# Altium PCB board_layout.pcbdoc (part 1 of 3) (continued)
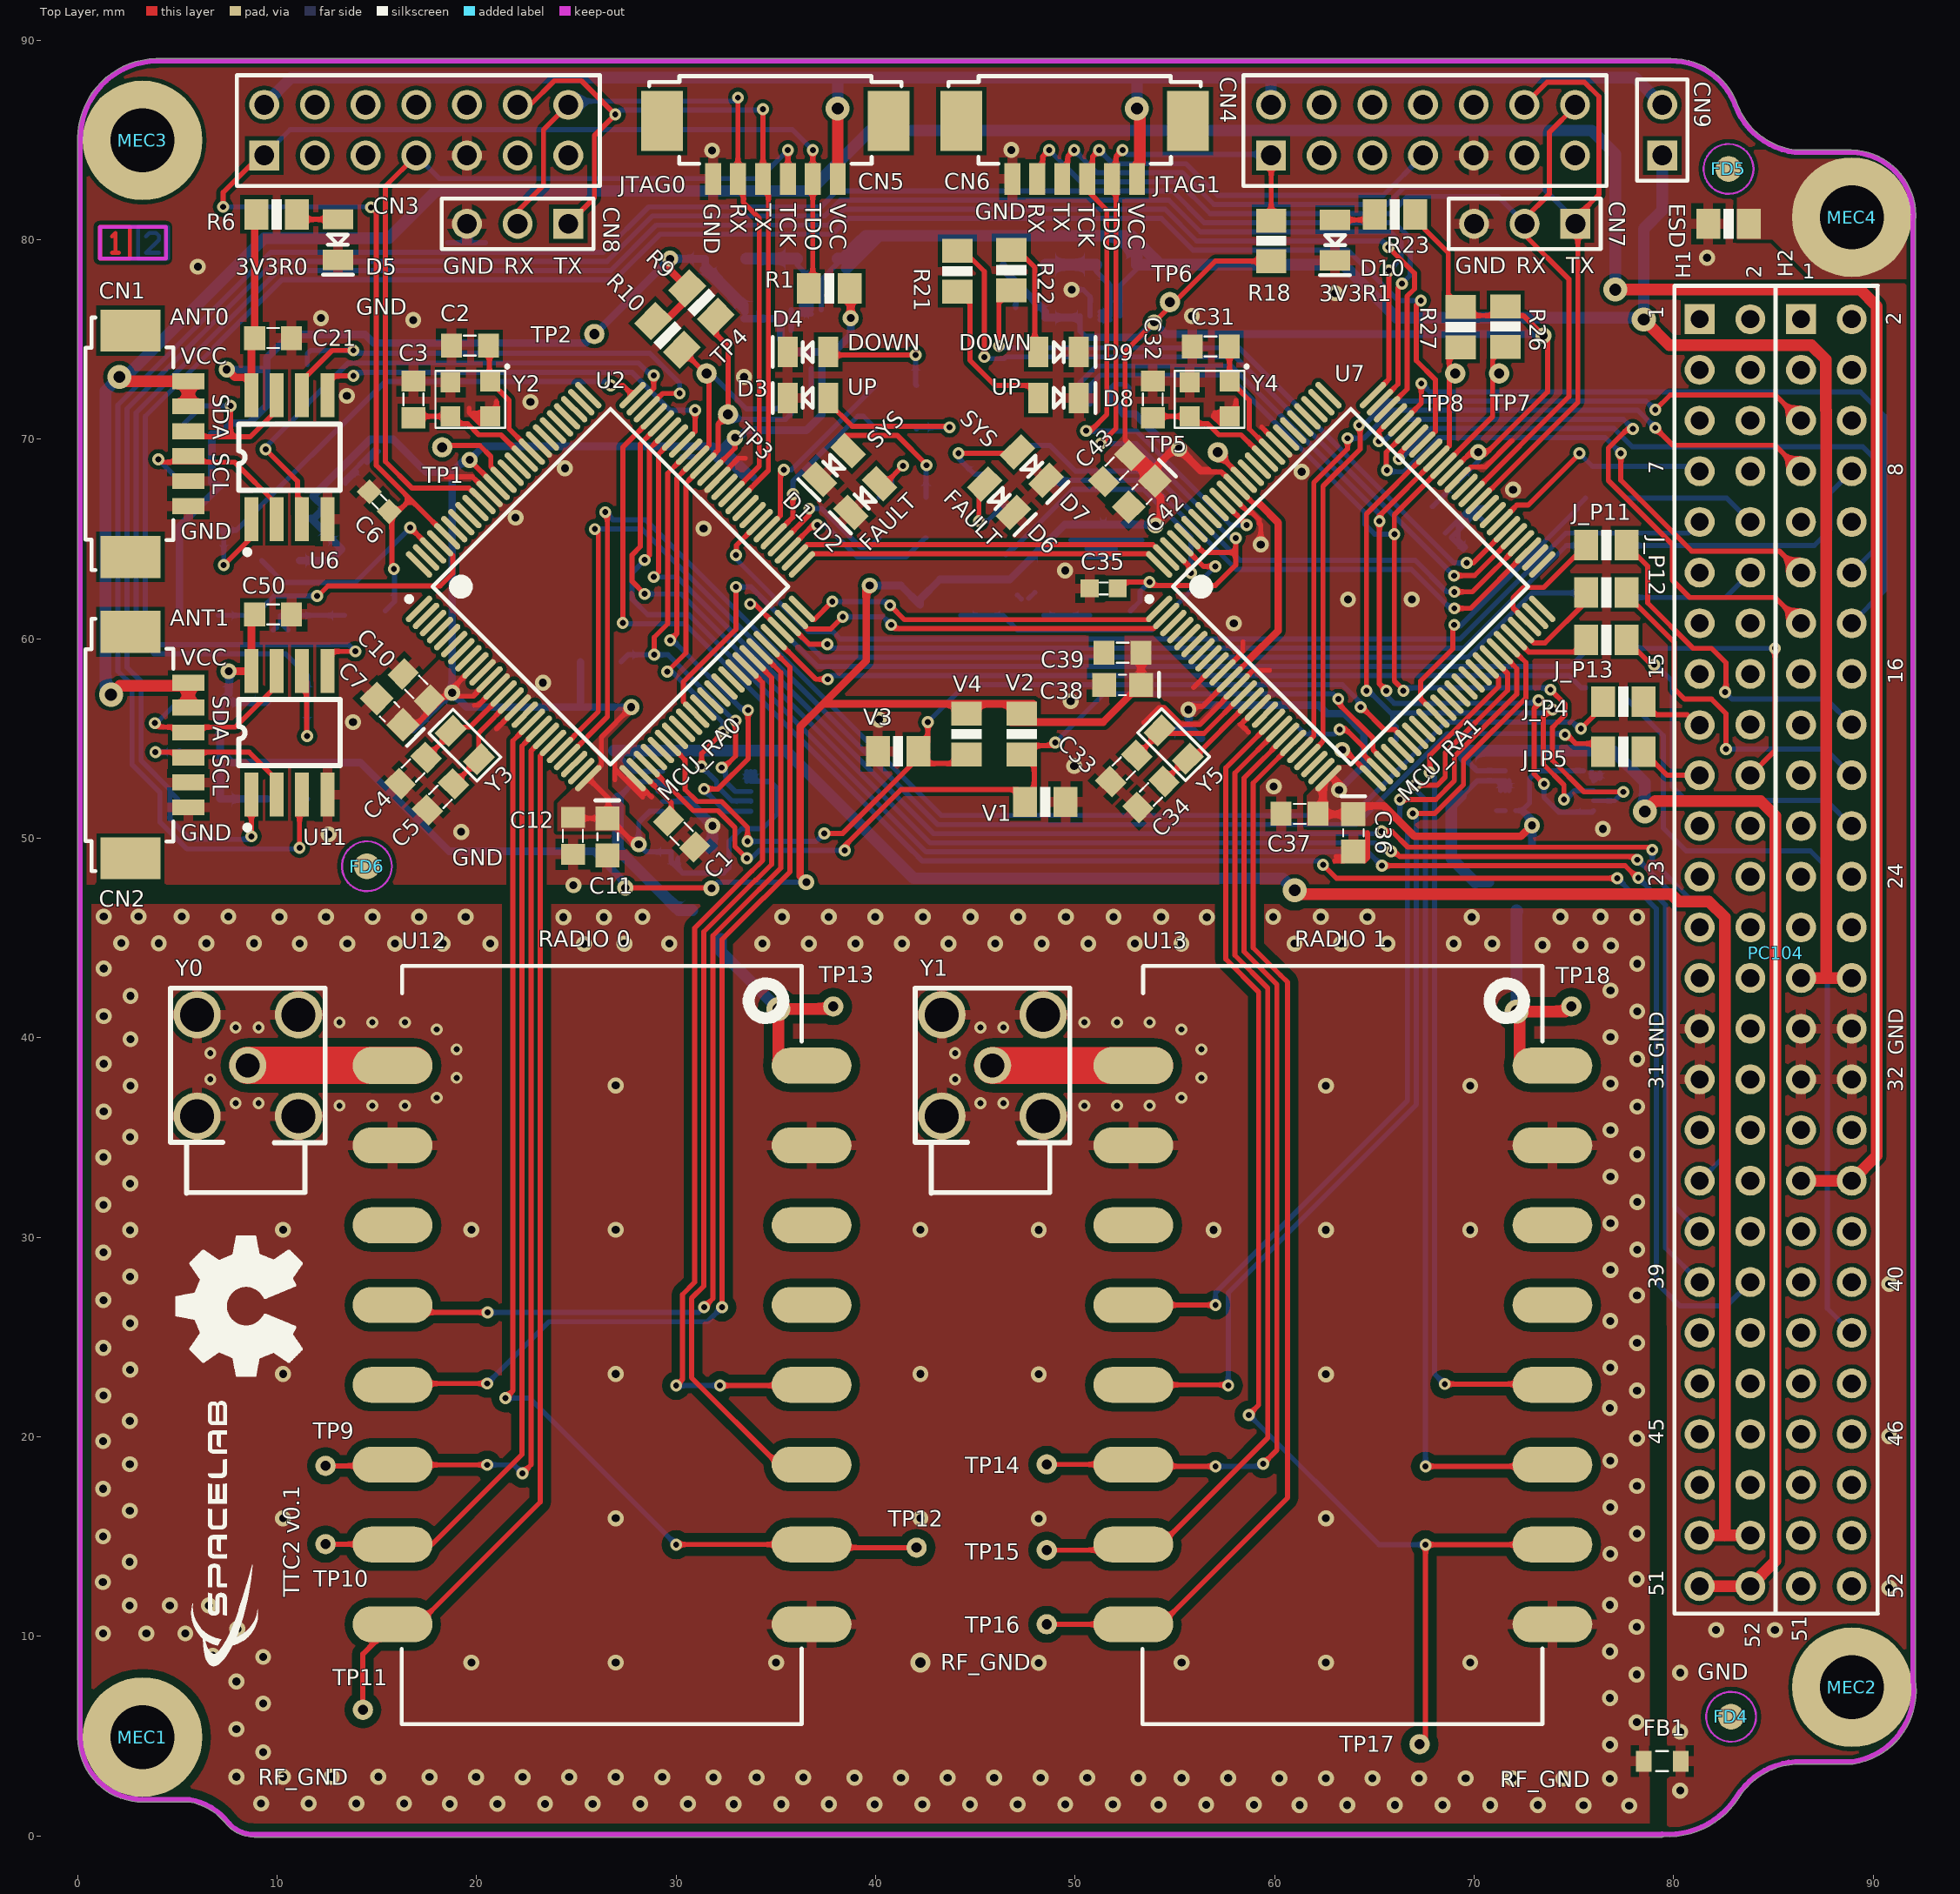
[diagram p0: Top Layer view]
## Components (designator, comment, footprint, x,y, rotation, side; value= is the part's Value field where it differs from the comment)
C1 "0.47uF/50V" CC0805 30.275,50.225 r135 top
C2 "10pF/100V" CC0805 19.661,74.7 r180 top
C3 "10pF/100V" CC0805 16.836,72 r90 top
C4 "12pF/50V" CC0805 16.815,53.4 r45 top
C5 "12pF/50V" CC0805 18.19,52.075 r45 top
C6 "1nF/16V" CC0603 15.125,66.875 r315 top
C7 "10uF/10V" CC0805_TANTALUM 15.65,56.35 r135 top
C8 "0.1uF/25V" CC0805 17.2,57.15 r135 bottom
C9 "10uF/10V" CC0805_TANTALUM 15.875,55.9 r135 bottom
C10 "0.1uF/25V" CC0805 16.977,57.587 r135 top
C11 "10uF/10V" CC0805_TANTALUM 26.55,50.075 r270 top
C12 "0.1uF/25V" CC0805 24.825,50.125 r270 top
C13 "10uF/10V" CC0805_TANTALUM 15.325,69.175 r225 bottom
C14 "0.1uF/25V" CC0805 16.651,67.885 r225 bottom
C15 "10uF/10V" CC0805_TANTALUM 32.575,67.375 r225 bottom
C16 "0.1uF/25V" CC0805 31.275,68.675 r225 bottom
C17 "0.1uF/25V" CC0805 13.9,65.15 r45 bottom
C18 "10uF/10V" CC0805_TANTALUM 12.55,66.5 r45 bottom
C19 "0.1uF/25V" CC0805 33.45,75.45 r270 bottom
C20 "0.1uF/25V" CC0805 30.675,49.325 r0 bottom
C21 "0.01uF/25V" CC0805 9.8,75.075 r0 top
C30 "0.47uF/50V" CC0805 61.125,54.7 r90 bottom
C31 "10pF/100V" CC0805 56.789,74.65 r180 top
C32 "10pF/100V" CC0805 53.889,72 r90 top
C33 "12pF/50V" CC0805 52.439,53.5 r45 top
C34 "12pF/50V" CC0805 53.8,52.2 r45 top
C35 "1nF/16V" CC0603 51.425,62.525 r0 top
C36 "10uF/10V" CC0805_TANTALUM 63.936,50.277 r270 top
C37 "0.1uF/25V" CC0805 61.25,51.227 r180 top
C38 "10uF/10V" CC0805_TANTALUM 52.375,57.7 r180 top
C39 "0.1uF/25V" CC0805 52.376,59.304 r180 top
C40 "10uF/10V" CC0805_TANTALUM 56.325,54.075 r270 bottom
C41 "0.1uF/25V" CC0805 54.4,54.075 r270 bottom
C42 "10uF/10V" CC0805_TANTALUM 53.341,67.259 r225 top
C43 "0.1uF/25V" CC0805 52.091,68.534 r225 top
C44 "10uF/10V" CC0805_TANTALUM 69.825,67.225 r315 bottom
C45 "0.1uF/25V" CC0805 68.55,65.975 r315 bottom
C46 "0.1uF/25V" CC0805 52.15,65.225 r270 bottom
C47 "10uF/10V" CC0805_TANTALUM 50.675,65.2 r270 bottom
C48 "0.1uF/25V" CC0805 47.575,76.1 r180 bottom
C49 "0.1uF/25V" CC0805 73.884,49.5 r0 bottom
C50 "0.01uF/25V" CC0805 9.8,61.225 r0 top
CN1 "0532610671" "PICOBLADE 6PIN RIGHT ANGLE" 4.1,69.777 r270 top
CN2 "0532610671" "PICOBLADE 6PIN RIGHT ANGLE" 4.1,54.675 r270 top
CN3 "M20-9980745" "CONN HEADER VERT 14POS 2.54MM" 16.975,85.495 r0 top
CN4 "M20-9980745" "CONN HEADER VERT 14POS 2.54MM" 67.435,85.495 r0 top
CN5 "0532610671" "PICOBLADE 6PIN RIGHT ANGLE" 34.975,84.5 r180 top
CN6 "0532610671" "PICOBLADE 6PIN RIGHT ANGLE" 49.975,84.5 r180 top
CN7 "4-103327-5" "HDR 1X3" 75.07,80.8 r180 top
CN8 "4-103327-5" "HDR 1X3" 24.595,80.8 r180 top
CN9 "826646-2" "HDR 1X2" 79.425,85.495 r90 top
D1 "LTST-C170KFKT" 0805-ORANGE-LED 37.9,68.7 r225 top
D2 "LTST-C170KFKT" 0805-ORANGE-LED 39.475,67.05 r225 top
D3 "LTST-C170KFKT" 0805-ORANGE-LED 36.6,72.075 r180 top
D4 "LTST-C170KFKT" 0805-ORANGE-LED 36.6,74.375 r180 top
D5 "LTST-C171GKT" 0805-GREEN-LED 13.05,80 r270 top
D6 "LTST-C170KRKT" 0805-RED-LED 46.188,67.037 r315 top
D7 "LTST-C170KRKT" 0805-RED-LED 47.825,68.65 r315 top
D8 "LTST-C170KRKT" 0805-RED-LED 49.175,72.075 r0 top
D9 "LTST-C170KRKT" 0805-RED-LED 49.175,74.375 r0 top
D10 "LTST-C171GKT" 0805-GREEN-LED 63.025,79.975 r270 top
ESD "1M" 0805 82.75,80.8 r0 top
FB1 "30R@100Mhz, 4A" IND0805 79.425,3.75 r180 top
FD1 "Fiducial 1.3" "FIDUCIAL 1.3MM" 83.325,82.625 r180 bottom
FD2 "Fiducial 1.3" "FIDUCIAL 1.3MM" 14.525,48.6 r180 bottom
FD3 "Fiducial 1.3" "FIDUCIAL 1.3MM" 82.925,6 r180 bottom
FD4 "Fiducial 1.3" "FIDUCIAL 1.3MM" 82.875,5.975 r0 top
FD5 "Fiducial 1.3" "FIDUCIAL 1.3MM" 82.75,83.55 r0 top
FD6 "Fiducial 1.3" "FIDUCIAL 1.3MM" 14.5,48.6 r0 top
J_P4 "0R" 0805 77.475,56.85 r180 top
J_P5 "0R" 0805 77.475,54.35 r180 top
J_P7 "0R" 0805 76.6,67.05 r0 bottom
J_P8 "0R" 0805 76.6,61.75 r0 bottom
J_P9 "0R" 0805 76.6,59.375 r0 bottom
J_P10 "0R" 0805 76.6,64.125 r0 bottom
J_P11 "0R" 0805 76.625,64.7 r0 top
J_P12 "0R" 0805 76.625,62.325 r0 top
J_P13 "0R" 0805 76.625,59.95 r0 top
J_P14 "0R" 0805 76.6,57 r0 bottom
J_V0 "0R" 0805 32.484,79.05 r0 bottom
J_V1 "0R" 0805 47.409,78.75 r0 bottom
J_V2 "0R" 0805 31.525,45.675 r135 bottom
J_V3 "0R" 0805 71.434,47.075 r135 bottom
MEC1 "M3" "M3 HOLE" 3.259,4.953 r0 top
MEC2 "M3" "M3 HOLE" 88.934,7.453 r0 top
MEC3 "M3" "M3 HOLE" 3.259,84.978 r0 top
MEC4 "M3" "M3 HOLE" 88.925,81.132 r0 top
PC104 "TSW-126-07-G-D" PC104_TTC 89,12.52 r90 top locked
R1 "47k" 0805 37.675,77.571 r0 top
R2 "1K" 0805 42.525,66.075 r270 bottom
R3 "1K" 0805 40.171,66.075 r270 bottom
R4 "1K" 0805 41.025,70.525 r180 bottom
R5 "1K" 0805 41.025,72.7 r180 bottom
R6 "1K" 0805 9.975,81.275 r180 top
R7 "10k" 0805 6.125,61.4 r0 bottom
R8 "10k" 0805 14.4,61.4 r180 bottom
R9 "10k" 0805 31.267,76.854 r135 top
R10 "10k" 0805 29.567,75.204 r135 top
R11 "10k" 0805 26.221,58.85 r180 bottom
R13 "10k" 0805 6.125,65.45 r180 bottom
R14 "10k" 0805 10.5,71.7 r180 bottom
R15 "10k" 0805 6.125,67.85 r0 bottom
R16 "10k" 0805 10.5,73.8 r180 bottom
R17 "10k" 0805 6.125,70.275 r0 bottom
R18 "47k" 0805 59.827,79.945 r270 top
R19 "1K" 0805 47.95,67.375 r45 bottom
R20 "1K" 0805 46.3,68.975 r45 bottom
R21 "1K" 0805 44.1,78.425 r90 top
R22 "1K" 0805 46.8,78.475 r270 top
R23 "1K" 0805 66.025,81.275 r0 top
R24 "10k" 0805 43.25,61.7 r0 bottom
R25 "10k" 0805 51.75,61.7 r180 bottom
R26 "10k" 0805 71.575,75.65 r90 top
R27 "10k" 0805 69.325,75.625 r90 top
R28 "10k" 0805 65.375,54.2 r225 bottom
R30 "10k" 0805 6.125,51.974 r0 bottom
R31 "10k" 0805 10.516,51.974 r180 bottom
R32 "10k" 0805 6.125,54.4 r0 bottom
R33 "10k" 0805 10.516,56.824 r180 bottom
R34 "10k" 0805 6.125,56.824 r0 bottom
RS1 "0.1R" 0805 27.075,53.075 r90 bottom
RS2 "0.1R" 0805 37.075,79.05 r0 bottom
RS3 "0.1R" 0805 69.325,53.075 r90 bottom
RS4 "0.1R" 0805 52.075,78.75 r0 bottom
TP1 "TEST_POINT" TEST_POINT 18.275,69.6 r90 top
TP2 "TEST_POINT" TEST_POINT 25.9,75.275 r90 top
TP3 "TEST_POINT" TEST_POINT 32.6,71.25 r90 top
TP4 "TEST_POINT" TEST_POINT 31.525,73.3 r90 top
TP5 "TEST_POINT" TEST_POINT 57.15,69.35 r90 top
TP6 "TEST_POINT" TEST_POINT 54.75,76.875 r90 top
TP7 "TEST_POINT" TEST_POINT 71.25,73.3 r90 top
TP8 "TEST_POINT" TEST_POINT 69.05,73.3 r90 top
TP9 "TEST_POINT" TEST_POINT 12.425,18.55 r90 top
TP10 "TEST_POINT" TEST_POINT 12.425,14.625 r90 top
TP11 "TEST_POINT" TEST_POINT 14.3,6.325 r90 top
TP12 "TEST_POINT" TEST_POINT 42.05,14.45 r90 top
TP13 "TEST_POINT" TEST_POINT 37.875,41.575 r90 top
TP14 "TEST_POINT" TEST_POINT 48.575,18.625 r90 top
TP15 "TEST_POINT" TEST_POINT 48.575,14.325 r90 top
TP16 "TEST_POINT" TEST_POINT 48.575,10.61 r90 top
TP17 "TEST_POINT" TEST_POINT 67.265,4.6 r90 top
TP18 "TEST_POINT" TEST_POINT 74.875,41.575 r90 top
U2 "MSP430F6659IPZR" LQFP-100 26.71,62.614 r45 top value=Value
U3 "TPS3823-33QDBVRQ1" DBV0005A_N 10.175,62.55 r90 bottom
U4 "INA226AQDGSRQ1" DGS10 36.275,74.275 r90 bottom
U5 "INA226AQDGSRQ1" DGS10 31.525,52.35 r180 bottom
U6 "TCA4311ADR" SOIC8 8.71,65.997 r90 top
U7 "MSP430F6659IPZR" LQFP-100 63.809,62.614 r45 top value=Value
U8 "TPS3823-33QDBVRQ1" DBV0005A_N 47.475,62.85 r90 bottom
U9 "INA226AQDGSRQ1" DGS10 51.25,73.975 r90 bottom
U10 "INA226AQDGSRQ1" DGS10 73.77,52.39 r180 bottom
U11 "TCA4311ADR" SOIC8 8.71,52.192 r90 top
U12 "RF4463F30" RF4463F30 16.29,5.61 r0 top
U13 "RF4463F30" RF4463F30 53.42,5.61 r0 top
V1 "47k" 0805 48.503,51.825 r0 top
V2 "47k" 0805 47.325,55.225 r270 top
V3 "47k" 0805 41.125,54.371 r180 top
V4 "47k" 0805 44.55,55.225 r270 top
Y0 "Coaxial_Connectors_90º" "CONN MCX JACK  R/A  50 OHM SMD" 8.53,38.62 r0 top
Y1 "Coaxial_Connectors_90º" "CONN MCX JACK  R/A  50 OHM SMD" 45.86,38.62 r0 top
Y2 "ABM8X-102-32.000MHZ-T" XTAL_ABM8X 19.686,72 r180 top
Y3 "ECS-.327-12.5-34S-TR" "ABS06 0805" 19.411,54.675 r315 top
Y4 "ABM8X-102-32.000MHZ-T" XTAL_ABM8X 56.739,72 r180 top
Y5 "ECS-.327-12.5-34S-TR" "ABS06 0805" 54.939,54.7 r315 top

## Footprints (in the part's own frame and the unit in brackets; to place one, negate y for a bottom-side part, rotate by r counter-clockwise, add the part's x,y. Pads: shape width x height; smd on the part's side, far side on the other; paste and mask are expansions set on the pad)
0805 [mil]
  rect 47.24x60 smd: 1(-40,0) 2(40,0)
  silkscreen extent -10,-30 10,30, body extent -50,-24 49,25, height 31
0805-GREEN-LED [mil]
  rect 40x60 smd: 1(-40.35,0) 2(39.65,0)
  silkscreen extent -10,-30 69,30, body extent -40,-25 40,25, height 43
0805-ORANGE-LED [mil]
  rect 40x60 smd: 1(-40.35,0) 2(39.65,0)
  silkscreen extent -10,-30 69,30, body extent -40,-25 40,25, height 43
0805-RED-LED [mil]
  rect 40x60 smd: 1(-40.35,0) 2(39.65,0)
  silkscreen extent -10,-30 73,30, body extent -40,-25 40,25, height 43
"ABS06 0805" [mm]
  rect 1x1.3 smd: 1(-1,0) 2(1,0)
  silkscreen extent -1.7,-0.85 1.7,0.85, body extent -1,-0.6 1,0.62, height 0.6
CC0603 [mm] "TDK mlccspec_commercial_general_midvoltage_en.pdf"
  rect 0.9x0.9 smd: 1(-0.7,0) 2(0.7,0)
  silkscreen extent -0.2,-0.3 0.2,0.3, body extent -1,-0.39 1,0.39, height 0.78
CC0805 [mm] "TDK mlccspec_commercial_general_midvoltage_en.pdf"
  rect 1.05x1.2 smd: 1(-0.925,0) 2(0.925,0)
  silkscreen extent -0.3,-0.5 0.3,0.5, body extent -1.25,-0.62 1.25,0.62, height 0.78
CC0805_TANTALUM [mm] "TDK mlccspec_commercial_general_midvoltage_en.pdf"
  rect 1.2x1.2 smd: 1(-0.93,0) 2(0.93,0)
  silkscreen extent -1.82,-0.6 0.18,0.6, body extent -1.04,-0.59 1.21,0.76, height 1.35
"CONN HEADER VERT 14POS 2.54MM" [mm]
  rect 1.5x1.5 hole 1: 1(-7.62,-1.27)
  round 1.5 hole 1: 2(-7.62,1.27) 3(-5.08,-1.27) 4(-5.08,1.27) 5(-2.54,-1.27) 6(-2.54,1.27) 7(0,-1.27) 8(0,1.27) 9(2.54,-1.27) 10(2.54,1.27) 11(5.08,-1.27) 12(5.08,1.27) 13(7.62,-1.27) 14(7.62,1.27)
  silkscreen extent -9,-2.8 9.2,2.75
"CONN MCX JACK  R/A  50 OHM SMD" [mm]
  round 1.86 hole 1.2 mask+0: 1(0,0)
  round 2.37 hole 1.7 mask+0: 2(-2.54,-2.54) 2(-2.54,2.54) 2(2.54,-2.54) 2(2.54,2.54)
  silkscreen extent -3.88,-6.4 3.88,3.88, body extent -3,-6.5 3,3, height 5.46
DBV0005A_N [mm] "SOT23, 5-Leads, Body 3.05x1.75mm, Pitch 0.95mm, IPC Medium Density"
  rrect17% 1x0.6 smd: 1(-1.375,0.95) 2(-1.375,0) 3(-1.375,-0.95) 4(1.375,-0.95) 5(1.375,0.95)
  silkscreen extent -1.5,-1.55 0.5,1.93, body extent -1.42,-1.46 1.42,1.46, height 1.08
DGS10 [mil]
  rect 52.28x11 smd paste+0 mask+0: 1(-87.14,39.37) 2(-87.14,19.69) 3(-87.14,0) 4(-87.14,-19.68) 5(-87.14,-39.37) 6(87.14,-39.37) 7(87.14,-19.68) 8(87.14,0) 9(87.14,19.69) 10(87.14,39.37)
  silkscreen extent -99,-66 66,71, body extent -97,-59 97,59, height 43
"FIDUCIAL 1.3MM" [mm]
  round 1.3 smd mask+0.6: FD0(0,0)
  Top Layer keep-out circle w0.1: c0,0 r1.25
"HDR 1X2" [mm]
  rect 1.5x1.5 hole 1: 1(-1.27,0)
  round 1.5 hole 1: 2(1.27,0)
  silkscreen extent -2.54,-1.27 2.54,1.27
"HDR 1X3" [mm]
  rect 1.5x1.5 hole 1: 1(0,0)
  round 1.5 hole 1: 2(2.54,0) 3(5.08,0)
  silkscreen extent -1.27,-1.27 6.35,1.27
IND0805 [mm]
  rect 0.8x1.05 smd: 1(-0.925,0) 2(0.925,0)
  silkscreen extent -0.3,-0.5 0.3,0.5, body extent -1,-0.6 1,0.6, height 0.95
LQFP-100 [mm]
  oval 1.75x0.3 smd paste-0.102 mask+0.051: 1(-7.575,6) 2(-7.575,5.5) 3(-7.575,5) 4(-7.575,4.5) 5(-7.575,4) 6(-7.575,3.5) 7(-7.575,3) 8(-7.575,2.5) 9(-7.575,2) 10(-7.575,1.5) 11(-7.575,1) 12(-7.575,0.5) 13(-7.575,0) 14(-7.575,-0.5) 15(-7.575,-1) 16(-7.575,-1.5) 17(-7.575,-2) 18(-7.575,-2.5) 19(-7.575,-3) 20(-7.575,-3.5) 21(-7.575,-4) 22(-7.575,-4.5) 23(-7.575,-5) 24(-7.575,-5.5) 25(-7.575,-6) 51(7.575,-6) 52(7.575,-5.5) 53(7.575,-5) 54(7.575,-4.5) 55(7.575,-4) 56(7.575,-3.5) 57(7.575,-3) 58(7.575,-2.5) 59(7.575,-2) 60(7.575,-1.5) 61(7.575,-1) 62(7.575,-0.5) 63(7.575,0) 64(7.575,0.5) 65(7.575,1) 66(7.575,1.5) 67(7.575,2) 68(7.575,2.5) 69(7.575,3) 70(7.575,3.5) 71(7.575,4) 72(7.575,4.5) 73(7.575,5) 74(7.575,5.5) 75(7.575,6)
  oval 0.3x1.75 smd paste-0.102 mask+0.051: 26(-6,-7.575) 27(-5.5,-7.575) 28(-5,-7.575) 29(-4.5,-7.575) 30(-4,-7.575) 31(-3.5,-7.575) 32(-3,-7.575) 33(-2.5,-7.575) 34(-2,-7.575) 35(-1.5,-7.575) 36(-1,-7.575) 37(-0.5,-7.575) 38(0,-7.575) 39(0.5,-7.575) 40(1,-7.575) 41(1.5,-7.575) 42(2,-7.575) 43(2.5,-7.575) 44(3,-7.575) 45(3.5,-7.575) 46(4,-7.575) 47(4.5,-7.575) 48(5,-7.575) 49(5.5,-7.575) 50(6,-7.575) 76(6,7.575) 77(5.5,7.575) 78(5,7.575) 79(4.5,7.575) 80(4,7.575) 81(3.5,7.575) 82(3,7.575) 83(2.5,7.575) 84(2,7.575) 85(1.5,7.575) 86(1,7.575) 87(0.5,7.575) 88(0,7.575) 89(-0.5,7.575) 90(-1,7.575) 91(-1.5,7.575) 92(-2,7.575) 93(-2.5,7.575) 94(-3,7.575) 95(-3.5,7.575) 96(-4,7.575) 97(-4.5,7.575) 98(-5,7.575) 99(-5.5,7.575) 100(-6,7.575)
  silkscreen extent -7.7,-6.3 6.3,6.82, body extent -8.1,-8.1 8.05,8.05, height 1.62
"M3 HOLE" [mm]
  round 6 hole 3.2: 0(0,0)
PC104_TTC [mm] "Connector; Header; 26x4 Position"
  rect 1.5x1.5 hole 0.9: H1-1(63.5,7.7) H2-1(63.5,2.625)
  round 1.5 hole 0.9: H1-2(63.5,5.16) H1-3(60.96,7.7) H1-4(60.96,5.16) H1-5(58.42,7.7) H1-6(58.42,5.16) H1-7(55.88,7.7) H1-8(55.88,5.16) H1-9(53.34,7.7) H1-10(53.34,5.16) H1-11(50.8,7.7) H1-12(50.8,5.16) H1-13(48.26,7.7) H1-14(48.26,5.16) H1-15(45.72,7.7) H1-16(45.72,5.16) H1-17(43.155,7.7) H1-18(43.18,5.16) H1-19(40.64,7.7) H1-20(40.64,5.16) H1-21(38.1,7.7) H1-22(38.1,5.16) H1-23(35.56,7.7) H1-24(35.56,5.16) H1-25(33.02,7.7) H1-26(33.02,5.16) H1-27(30.48,7.7) H1-28(30.48,5.16) H1-29(27.94,7.7) H1-30(27.94,5.16) H1-31(25.4,7.7) H1-32(25.4,5.16) H1-33(22.86,7.7) H1-34(22.86,5.16) H1-35(20.32,7.7) H1-36(20.32,5.16) H1-37(17.78,7.7) H1-38(17.78,5.16) H1-39(15.24,7.7) H1-40(15.24,5.16) H1-41(12.7,7.7) H1-42(12.7,5.16) H1-43(10.16,7.7) H1-44(10.16,5.16) H1-45(7.62,7.7) H1-46(7.62,5.16) H1-47(5.08,7.7) H1-48(5.08,5.16) H1-49(2.54,7.7) H1-50(2.54,5.16) H1-51(0,7.7) H1-52(0,5.16) H2-2(63.5,0.08) H2-3(60.96,2.62) H2-4(60.96,0.08) H2-5(58.42,2.62) H2-6(58.42,0.08) H2-7(55.88,2.62) H2-8(55.88,0.08) H2-9(53.34,2.625) H2-10(53.34,0.08) H2-11(50.8,2.625) H2-12(50.8,0.08) H2-13(48.26,2.62) H2-14(48.26,0.08) H2-15(45.72,2.62) H2-16(45.72,0.08) H2-17(43.155,2.62) H2-18(43.18,0.08) H2-19(40.64,2.62) H2-20(40.64,0.08) H2-21(38.1,2.62) H2-22(38.1,0.08) H2-23(35.56,2.62) H2-24(35.56,0.08) H2-25(33.02,2.62) H2-26(33.02,0.08) H2-27(30.48,2.62) H2-28(30.48,0.08) H2-29(27.94,2.62) H2-30(27.94,0.08) H2-31(25.4,2.62) H2-32(25.4,0.08) H2-33(22.86,2.62) H2-34(22.86,0.08) H2-35(20.32,2.62) H2-36(20.32,0.08) H2-37(17.78,2.62) H2-38(17.78,0.08) H2-39(15.24,2.62) H2-40(15.24,0.08) H2-41(12.7,2.62) H2-42(12.7,0.08) H2-43(10.16,2.62) H2-44(10.16,0.08) H2-45(7.62,2.62) H2-46(7.62,0.08) H2-47(5.08,2.62) H2-48(5.08,0.08) H2-49(2.54,2.62) H2-50(2.54,0.08) H2-51(0,2.62) H2-52(0,0.08)
  silkscreen extent -1.38,-1.22 65.18,8.97, body extent -1.28,-1.19 64.77,8.97, height 1.02
"PICOBLADE 6PIN RIGHT ANGLE" [mm]
  rect 2.1x3 smd: 0(-5.675,-1.45) 0(5.675,-1.45)
  rect 0.8x1.6 smd: 1(-3.125,1.45) 2(-1.875,1.45) 3(-0.625,1.45) 4(0.625,1.45) 5(1.875,1.45) 6(3.125,1.45)
  silkscreen extent -6.33,-3.7 6.32,0.7, body extent -6.32,-3.6 6.33,1.6, height 3.5
RF4463F30 [mm]
  oval 4x1.8 smd: 1(20.5,33) 2(20.5,29) 3(20.5,25) 4(20.5,21) 5(20.5,17) 6(20.5,13) 7(20.5,9) 8(20.5,5) 9(-0.5,5) 10(-0.5,9) 11(-0.5,13) 12(-0.5,17) 13(-0.5,21) 14(-0.5,25) 15(-0.5,29)
  oval 4x1.86 smd: 16(-0.5,33)
  silkscreen extent -0.04,0 20,38, body extent -0.03,0.04 20.18,38.2, height 4.02
SOIC8 [mm]
  rect 2.2x0.7 smd: 1(0,0) 2(0,-1.27) 3(0,-2.54) 4(0,-3.81) 5(6.205,-3.81) 6(6.205,-2.54) 7(6.205,-1.27) 8(6.205,0)
  silkscreen extent -1.77,-4.44 4.77,0.64, body extent 0.1,-4.4 6.1,0.6, height 1.7
TEST_POINT [mil]
  round 40 hole 20: 1(0,0)
XTAL_ABM8X [mm]
  rect 1x1 smd: 1(-1,-0.9) 2(1,-0.85) 3(1,0.85) 4(-1,0.85)
  silkscreen extent -1.93,-1.73 1.75,1.43, body extent -1.6,-1.22 1.6,1.28, height 0.6

## Part data
C1 C30: library part Cap_Cer_X7R_0.47uF_50V_0805, "CAP CER 0.47UF 50V 10% X7R 0805", Partnumber=C0805C474K5RACTU, NCM=8532.24.10
C2 C3 C31 C32: library part Cap_Cer_X7R_10pF_100V_0805, "CAP CER 10pF 100V 0805", Partnumber=08051A100FAT2A, NCM=8532.24.10
C4 C5 C33 C34: library part Cap_Cer_X7R_12pF_50V_0805, "CAP CER 12pF 50V 0805", Partnumber=CL21C120FBANNNC, NCM=8532.24.10
C6 C35: library part Cap_Cer_X7R_1nF_16V_0603, "CAP CER 1nF 16V 0603 5%", Partnumber=C0603X102J4RECAUTO, NCM=8532.24.10
C7 C9 C11 C13 C15 C18 C36 C38 C40 C42 C44 C47: library part Cap_Tant_SMD_10uF_10V_0805, "CAP Tantalum 10uF 10V 20% 0805", Partnumber=TPSP106M010R2000, NCM=8532.21.11
C8 C10 C12 C14 C16 C17 C19 C20 C37 C39 C41 C43 C45 C46 C48 C49: library part Cap_Cer_X7R_0.1uF_25V_0805, "CAP CER 0.1UF 25V 10% X7R 0805", Partnumber=CC0805KRX7R8BB104, NCM=8532.24.10
C21 C50: library part Cap_Cer_X7R_0.01uF_25V_0805, "CAP CER 0.01uF 25V 10% X7R 0805", Partnumber=CL21B103KAANNNC, NCM=8532.24.10
CN1 CN2 CN5 CN6: "PicoBlade 6 Position Right Angle Connector Header Surface Mount  0.049\" (1.25mm)", LatestRevisionDate=17-Jul-2002, LatestRevisionNote="Re-released for DXP Platform.", Partnumber=0532610671, Publisher="Altium Limited"
CN3 CN4: "Connector Header Through Hole 14 position 0.100\" (2.54mm)", Color=Black, Contact Resistance=25mR, Manufacturer=Harwin, Max Current Rating=3A, Max Operating Temperature=105°C, Min Operating Temperature=-40°C, Package Quantity=500, Supplier Part Number 1=952-1932-ND, ComponentLink1Description=https://www.verical.com/server-webapp/html/getDatasheet?partID=468550&src-supplier=Verical, ComponentLink1URL=https://www.verical.com/server-webapp/html/getDatasheet?partID=468550&src-supplier=Verical, ComponentLink2Description=http://www.harwin.com/include/downloads/drawings/M20-998.PDF?src-supplier=Element14, ComponentLink2URL=http://www.harwin.com/include/downloads/drawings/M20-998.PDF?src-supplier=Element14, ComponentLink3Description=http://www.mouser.com/ds/2/181/M20-998-351176.pdf?src-supplier=Mouser, ComponentLink3URL=http://www.mouser.com/ds/2/181/M20-998-351176.pdf?src-supplier=Mouser, Connector Type="Male Pin", Contact Material=Brass, Contact Mating Length=0.24inch, Contact Plating=Gold, Depth=5.08mm, Gender=Male, Housing Color=Black, Housing Material=Nylon, Length=17.78mm, Manufacturer Part Number=M20-9980745, Mount="Through Hole", Number of Contacts=14, Number of Positions=14, Number of Rows=2, Orientation=Straight, Packaging=Bag, Pitch=2.54mm, Pricing 1="1=0.54, 10=0.51, 100=0.391, 500=0.34, 1000=0.2805, 5000=0.2465, 10000=0.2295 (USD)", Pricing 2="1=0.54, 10=0.51, 100=0.387, 500=0.34, 1000=0.28, 2500=0.246 (USD)", Radiation Hardening=No, REACH SVHC="No SVHC", Row Spacing=0.1inch, Stock 1=15564, Stock 2=1790, Supplier 1=Digi-Key, Supplier 2=Mouser, Supplier Part Number 2=855-M20-9980745, Termination=Solder
CN7 CN8: "Connector Header Through Hole 3 position 0.100\" (2.54mm)", Contact Current Rating=3A, Flammability Rating="UL94 V-0", High Temperature Housing=No, Housing Color=Black, Insulation Resistance=5GR, Manufacturer="TE Connectivity AMP", Max Operating Temperature=105°C, Min Operating Temperature=-65°C, Package Quantity=540, Supplier Part Number 1=571-4-103327-5, Approvals=CSA, Board Standoff="No (Without)", Connector Type=Plug,Header,Pin, Contact Gender=Male, Contact Material=Bronze, Contact Mating Length=0.23inch, Contact Plating=Tin, Contact Post Length=0.12inch, Contact Protection="No (Without)", Contact Shape=Square, Current Rating=3A, Depth=2.34mm, ELV=Compliant, Fitted="Yes (eng model only)", Gasket="No (Without)", High Speed Serial Data Connector=No, Housing Material=Thermoplastic, Keyed=No, LatestRevisionDate=17-Jul-2002, LatestRevisionNote="Re-released for DXP Platform.", Length=7.21mm, Manufacturer Part Number=4-103327-5, Mating Connector Lock="No (Without)", Mount="Through Hole", Number of Contacts=3, Number of Positions=3, Number of Rows=1, Orientation=Straight, Packaging=Carton, Partnumber=4-103327-5, PCB Mounting Orientation=Vertical, PCB Mount Retention=Without, Pitch=2.54mm, Pricing 1="1=0.26, 10=0.182, 100=0.157, 500=0.15, 1000=0.125, 2500=0.107 (USD)", Pricing 2="1=0.26, 10=0.25, 100=0.1753, 500=0.1503, 1000=0.12525, 5000=0.10736, 10000=0.1002 (USD)", Publisher="Altium Limited", Radiation Hardening=No, Row Spacing=2.54mm, Selectively Loaded="No (Without)", Stabilizers="No (Without)", Stock 1=2961, Stock 2=16328, Strain Relief="No (Without)", Supplier 1=Mouser, Supplier 2=Digi-Key, Supplier Part Number 2=A128778-ND, Termination="Through Hole"
CN9: "Connector Header Through Hole 2 position 0.100\" (2.54mm)", LatestRevisionDate=17-Jul-2002, LatestRevisionNote="Re-released for DXP Platform.", Partnumber=826646-2, Publisher="Altium Limited"
D1 D2 D3 D4: library part LED/O_0805, "LED Orange SMD - Orange 605nm LED Indication - Discrete 2V 0805 (2012 Metric)", NCM=8541.40.21, Partnumber=LTST-C170KFKT
D5 D10: library part LED/G_0805, "LED Green SMD - Green 569nm LED Indication - Discrete 2.1V 0805 (2012 Metric)", NCM=8541.40.21, Partnumber=LTST-C171GKT
D6 D7 D8 D9: library part LED/R_0805, "LED Red SMD - Red 631nm LED Indication, Discrete 2V 0805 (2012 Metric)", NCM=8541.40.21, Partnumber=LTST-C170KRKT
ESD: library part R1000k_1%_1/8W_0805, "RES 1000K OHM 1/8W 1% 0805", Partnumber=RMCF0805FG1M00, NCM=8533.21.20
FB1: library part FB_30R_4A_100MHz_0805, "Ferrite Bead 30 OHM 4A 100MHz", Partnumber=BLM21PG300SN1D, NCM=8504.50.00
FD1 FD2 FD3 FD4 FD5 FD6: "Fiducial 1.3mm"
J_P4 J_P5 J_P7 J_P8 J_P9 J_P10 J_P11 J_P12 J_P13 J_P14 J_V0 J_V1 J_V2 J_V3: library part R0R_JUMPER_1/8W_0805, "RES 0R OHM 1/8W JUMPER 0805", Partnumber=CRCW08050000Z0EA, NCM=8533.21.20
MEC1 MEC2 MEC3 MEC4: library part "M3 hole", "M3 hole"
PC104: library part PC104_TTC, "Connector Header Through Hole 52 position 0.100\" (2.54mm) - PC104 used in the TTC module", Operating Temperature="-55°C ~ 125°C", Partnumber=SSW-126-04-G-D, Contact Finish - Mating=Gold, Contact Length - Mating=5.84mm, Contact Length - Post=2.54mm, Insulation Height=2.54mm, Overall Contact Length=10.92mm
R1 R18 V1 V2 V3 V4: library part R47k_1%_1/8W_0805, "RES 47k OHM 1/8W 1% 0805", Partnumber=RC0805FR-0747KL, NCM=8533.21.20
R2 R3 R4 R5 R6 R19 R20 R21 R22 R23: library part R1.0k_1%_1/8W_0805, "RES 1.0K OHM 1/8W 1% 0805", Partnumber=RC0805FR-071KL, NCM=8533.21.20
R7 R8 R9 R10 R11 R13 R14 R15 R16 R17 R24 R25 R26 R27 R28 R30 R31 R32 R33 R34: library part R10k_1%_1/8W_0805, "RES 10K OHM 1/8W 1%  0805", Partnumber=CRCW080510K0FKEA, NCM=8533.21.20
RS1 RS2 RS3 RS4: library part R0.1R_1%_1/3W_0805, "RES 0.1R OHM 1/3W 1% 0805", Partnumber=SR732ATTER100F, NCM=8533.21.20
TP1 TP2 TP3 TP4 TP5 TP6 TP7 TP8 TP9 TP10 TP11 TP12 TP13 TP14 TP15 TP16 TP17 TP18: "Test point"
U2 U7: "CPUXV2 series Microcontroller IC 16-Bit 20MHz 512KB (512K x 8) FLASH 100-LQFP (14x14)", Alternate PartNumber=MSP430F6659IPZ, Manufacturer="Texas Instruments", CompType=IC, MountType=SMT, PackageReference=PZ0100A, Partnumber=MSP430F6659IPZR, PIN_COUNT=100, RefDes=RefDes, RoHS=Y, Type=DEV
U3 U8: library part CMP-0338-00011-2, "Processor Supervisory Circuit, 1 Supply Monitored, -40 to 85 degC, 5-Pin SOT-23 (DBV), Green (RoHS & no Sb/Br)", Manufacturer="Texas Instruments", Operating Temperature Range="-40 to 85 degC", Rating=Catalog, Threshold Voltage="2.93 V Typ.", # of Supplies Monitored=1, ComponentLink1Description="Manufacturer URL", ComponentLink1URL=www.ti.com, ComponentLink2Description=Datasheet, ComponentLink2URL=http://www.ti.com/lit/ds/symlink/tps3820-33.pdf, ComponentLink3Description="Package Specification", ComponentLink3URL=http://www.ti.com/lit/ml/mpds018j/mpds018j.pdf, DatasheetVersion=SLVS165J, Iq="15 uA Typ.", Mounting Technology="Surface Mount", Output Driver Type / Reset Output="Active-low, Push-pull", PackageDescription="5-Pin Plastic Small Outline, Body 1.6 x 2.9 mm, Pitch 0.95 mm", PackageReference=DBV0005A, PackageVersion=4073253-4/L, Packing="Tape and Reel", Partnumber=TPS3823-33QDBVRQ1, Reset Threshold Accuracy=2.4%, RoHS=TRUE, Time Delay="25 ms", VCC="1.1 V Min.", Watchdog Timer WDI="0.2 s"
U4 U5 U9 U10: "High-Side Measurement, Bi-Directional Current/Power Monitor w/I2C Interface", Manufacturer="Texas Instruments", PACKAGE_DESIGNATOR=DGS, Copyright="Copyright (C) 2018 Accelerated Designs. All rights reserved", Datasheet_URL=http://www.ti.com/lit/gpn/INA226, FAMILY_NAME="CURRENT SHUNT MONITOR", GENERIC_PART_NUMBER=INA226, INDUSTRY_STD_PKG_TYPE=MSOP, Manufacturer_Part_Number=INA226AQDGSRQ1, Partnumber=INA226AQDGSRQ1, PIN_COUNT=10, RefDes=RefDes, Type=DEV, Vendor="Texas Instruments"
U6 U11: "IC SIGNAL BUFFER I2C 8SOIC HOTSWAP", Partnumber=TCA4311ADR
U12 U13: "RF4463F30 High Power Wireless Transceiver Module", Partnumber=RF4463F30
Y0 Y1: "MCX Connector Jack, Female Socket 50Ohm Through Hole, Right Angle Solder", Partnumber=133-3701-311
Y2 Y4: library part XTAL_32MHz_SMD_4-SMD, "32MHz ±10ppm Crystal 10pF 60 Ohm -40°C ~ 125°C", NCM=8541.60.10, Partnumber=ABM8X-102-32.000MHZ-T
Y3 Y5: library part Xtal_32.768kHz_12pF_2_SMD, "32.768kHz ±20ppm Crystal 12.5pF 70 kOhm -40°C ~ 125°C", NCM=8541.60.10, Partnumber=ECS-.327-12.5-34S-TR

## Via types
v1: diameter 0.8, hole 0.4, Top Layer to Bottom Layer, tented both sides, 278 vias
v2: diameter 0.6, hole 0.3, Top Layer to Bottom Layer, tented both sides, 181 vias
v3: diameter 1.2, hole 0.6, Top Layer to Bottom Layer, tented both sides, 10 vias
v4: diameter 0.8, hole 0.4, Top Layer to Bottom Layer, 5 vias
v5: diameter 1.016, hole 0.508, Top Layer to Bottom Layer, 1 vias
v6: diameter 0.8, hole 0.4, Top Layer to Bottom Layer, tented top, 1 vias

## Nets (pads, with @x,y where several pads share a name; then routed paths per layer and width w, separated by ;. In a path a pad name is that pad's centre, name@x,y a point inside that pad or via, vN(x,y) a via of type N, cw(c..) or ccw(c..) an arc to the next point about the centre after c; other vN are vias at no path point)
ESD: ESD.2 MEC4.0
GND: C1.1 C2.2 C3.2 C4.1 C5.1 C6.1 C7.2 C8.2 C9.2 C10.2 C11.2 C12.2 C13.2 C14.2 C15.2 C16.2 C17.2 C18.2 C19.2 C20.2 C21.2 C30.1 C31.2 C32.2 C33.1 C34.1 C35.1 C36.2 C37.2 C38.2 C39.2 C40.2 C41.2 C42.2 C43.2 C44.2 C45.2 C46.2 C47.2 C48.2 C49.2 C50.2 CN1.5 CN1.6 CN2.5 CN2.6 CN3.9 CN4.9 CN5.6 CN6.6 CN7.3 CN8.3 D1.2 D2.2 D3.2 D4.2 D5.2 D6.2 D7.2 D8.2 D9.2 D10.2 ESD.1 FB1.1 PC104.H1-29 PC104.H1-30 PC104.H1-31 PC104.H1-32 PC104.H2-29 PC104.H2-30 PC104.H2-31 PC104.H2-32 U2.10 U2.12 U2.15 U2.26 U2.63 U2.83 U2.90 U3.2 U4.2 U4.7 U5.7 U6.4 U7.10 U7.12 U7.15 U7.26 U7.63 U7.83 U7.90 U8.2 U9.2 U9.7 U10.7 U11.4 V1.2 V3.2 Y2.2 Y2.4 Y4.2 Y4.4 | length 81.2
  Top Layer w0.254: 18.45,68.125 19.784,68.125 U2.90@20.646,67.263 ; 19.625,71.55 19.625,71.344 20.194,70.775 Y2.4@20.4,70.775 ; 19.836,71.3 Y2.4@20.375,71.3 ; 19.893,56.668 20.085,56.668 20.972,57.555 20.972,57.611 U2.12@21,57.611 ; 20.036,71.075 Y2.4@20.575,71.075 ; 21,55.49 U2.15@22.061,56.55 ; Y2.4@21,71.361 21,71.9 ; 26.925,52.95 26.925,53.875 ; 26.965,53.435 28.323,52.077 ; U2.26@27.64,53.06 28.458,52.242 ; U2.26@27.824,53.015 28.763,52.075 ; U2.63@32.066,67.97 32.094,67.97 32.094,68.026 33.118,69.05 33.459,69.05 ; 53.451,55.8 54.201,56.55 54.475,56.55 55.305,55.72 56.268,55.72 57.384,56.836 57.384,56.868 58.071,57.555 58.071,57.611 U7.12@58.099,57.611 58.913,58.425 59.725,58.425 ; 56.925,71.2 56.925,71.143 Y4.4@57.284,70.784 ; Y4.4@57.35,70.975 57,71.325 57.564,71.325 Y4.4@57.739,71.15 ; U7.10@57.392,58.318 58.176,59.102 58.176,59.144 58.413,59.38 58.413,59.85 ; U7.90@57.717,67.319 57.717,67.263 U7.90@57.745,67.263 58.677,66.331 58.861,66.331 59.23,65.962 59.23,65.778 59.3,65.708 v1(59.3,64.725) ; Y4.4@58.057,71.396 58.057,71.935 ; 58.257,55.708 58.297,55.708 58.342,55.664 ; 58.684,55.322 58.342,55.664 ; U7.15@59.132,56.55 58.342,55.76 58.342,55.664 ; 59.35,70.608 U7.83@60.22,69.738 ; 63.026,48.871 C36.2@63.46,48.871 ; 63.082,49.093 63.239,49.093 C36.2@63.46,48.871 ; v1(63.378,54.428) 63.51,54.428 U7.26@64.923,53.015 U7.26@65.426,52.511 ; C36.2@63.936,49.347 C36.2@63.46,48.871 ; C36.2@64.5,48.875 64.65,49.025 64.65,50.26 ; U7.63@69.546,68.379 69.602,68.379 69.808,68.585 69.833,68.609 70.559,68.609 71.888,69.938
  Bottom Layer w0.254: 9.807,60.439 9.918,60.55 ; 9.947,60.578 9.918,60.55 ; 9.975,60.55 9.918,60.55 ; U3.2@10.175,61.175 10.175,60.807 10.543,60.439 ; 13.308,67.908 14.873,69.473 ; 13.425,67.8 C13.2@13.992,68.367 ; C13.2@14.508,68.833 15.075,69.4 ; 18.55,79.85 20.45,79.85 ; CN8.3@19.208,80.442 19.775,79.875 ; 19.283,79.908 CN8.3@19.85,80.475 ; U5.7@29.312,51.85 30.6,51.85 ; 30.125,51.85 30.275,52 30.6,52 ; 30.3,69.125 30.9,69.125 ; C20.2@31.6,49.825 C20.2@31.6,49.325 C20.2@31.825,49.55 ; 35.775,75.45 U4.7@35.775,76.488 ; U4.2@36.775,72.062 36.775,73.55 ; C48.2@47.025,76.6 47.025,76.925 47.125,77.025 ; 47.107,62.193 47.3,62 ; 47.675,62.025 47.975,62.325 ; 49.78,64.95 53.35,64.95 ; v1(49.825,77.5) 50.4,77.5 50.75,77.15 U9.7@50.75,76.188 ; C47.2@50.58,64.1 C46.2@52.025,64.1 ; C47.2@50.58,64.525 C46.2@52.025,64.525 ; C47.2@50.675,64.27 50.705,64.3 C46.2@52.15,64.3 ; U9.2@51.75,71.762 51.78,71.792 51.78,72.562 51.974,72.756 52.526,72.756 52.707,72.575 ; C45.2@68.554,65.296 C44.2@69.801,66.542 ; 69.459,64.474 68.854,65.079 70.071,66.296 C44.2@70.476,65.892 ; 69.575,64.59 69.374,64.791 69.204,64.962 C45.2@69.204,65.321 69.204,65.654 70.117,66.567 C44.2@70.483,66.567
  Bottom Layer w0.508: 30.6,51.85 v1(31.825,50.625) C20.2@31.825,49.55
  other v1: 80.325,2.275 80.325,5.225 82.125,10.325 85.075,10.325 90.8,12.425 90.8,20.045 90.8,27.665 24.85,47.65 12.575,50.2 76.45,50.475 59.95,52.6 49.95,53.625 13.8,55.825 40.175,55.95 49.775,56.875 23.325,57.8 57.95,60.775 66.875,61.975 49.5,63.425 31.375,65.525 21.95,66.075 71.95,67.475 61.35,68.375 24.425,68.55 22.7,71.875 13.5,72.175 33.4,73.125 12.2,76.075 55.85,76.175 63.025,77.325 6.025,78.65 81.675,79.1 31.8,84.475 46.8,84.5
  other v4: 80.325,8.175 19.225,50.325 16.825,75.975
  other v6: 63.675,61.975
MCU_BUS_GPIO0: U2.52 U7.99 | length 19.2
  Top Layer w0.254: U2.52@35.955,64.081 35.983,64.081 35.983,64.137 36.567,64.72 48.572,64.72 ; 48.573,64.72 49.177,64.72 ; 49.178,64.72 53.896,64.72 54.535,64.081 U7.99@54.563,64.081
MCU_BUS_GPIO1: U2.51 U7.100 | length 18.3
  Top Layer w0.254: U2.51@36.309,63.727 36.845,64.263 48.383,64.263 ; 48.383,64.263 49.367,64.263 ; 49.367,64.263 53.674,64.263 U7.100@54.21,63.727
MCU_BUS_GPIO2: U2.50 U7.1 | length 19.1
  Top Layer w0.254: U2.50@36.309,61.5 36.834,60.975 36.932,60.975 v2(37.829,61.871) ; v2(40.725,61.675) 41.436,60.964 53.674,60.964 U7.1@54.21,61.5
  Bottom Layer w0.254: v2(37.829,61.871) 40.529,61.871 v2(40.725,61.675)
MCU_BUS_GPIO3: U2.49 U7.2 | length 19.7
  Top Layer w0.254: U2.49@35.955,61.146 35.983,61.146 35.983,61.09 36.581,60.493 37.739,60.493 v2(38.35,61.104) ; v2(40.775,60.7) 40.968,60.507 53.924,60.507 U7.2@54.563,61.146
  Bottom Layer w0.254: v2(38.35,61.104) 40.371,61.104 v2(40.775,60.7)
NetC1_2: C1.2 U2.27 | length 3.1
  Top Layer w0.254: U2.27@28.177,53.368 29.754,51.792 C1.2@29.754,50.93
NetC30_2: C30.2 U7.27 | length 5.6
  Top Layer w0.254: v2(63.253,55.453) 63.434,55.453 63.506,55.525 64.468,54.563 64.468,54.176 U7.27@65.276,53.368
  Bottom Layer w0.254: C30.2@61.125,55.625 61.525,55.225 63.025,55.225 v2(63.253,55.453)
NetD1_1: D1.1 R2.1 | length 7.3
  Top Layer w0.254: D1.1@38.625,69.425 38.475,69.575 38.475,69.731 38.325,69.881 38.325,69.894 38.5,70.069 38.5,70.2 41.075,70.2 v2@42.563,68.713
  Bottom Layer w0.254: R2.1@42.525,67.091 42.525,68.675 v2(42.55,68.7)
NetD2_1: D2.1 R3.1 | length 3.8
  Top Layer w0.254: D2.1@40.2,67.775 40.475,67.775 v2(41.375,68.675)
  Bottom Layer w0.254: R3.1@40.171,67.091 40.328,67.248 40.548,67.248 40.8,67.5 40.8,68.1 v2(41.375,68.675)
NetD3_1: D3.1 R4.1 | length 8.5
  Top Layer w0.254: D3.1@37.625,72.075 37.625,71.85 38.818,70.657 43.643,70.657 v2(43.7,70.6)
  Bottom Layer w0.254: R4.1@42.041,70.525 42.116,70.6 v2(43.7,70.6)
NetD4_1: D4.1 R5.1 | length 6.1
  Top Layer w0.254: D4.1@37.625,74.375 37.625,74.225 v2(42,74.225)
  Bottom Layer w0.254: v2(42,74.225) 42,72.741 R5.1@42.041,72.7
NetD5_1: D5.1 R6.1 | length 2.2
  Top Layer w0.254: R6.1@10.991,81.275 11.241,81.025 D5.1@13.05,81.025
NetD6_1: D6.1 R19.1 | length 4.4
  Top Layer w0.254: v2(45.175,65.9) 45.175,67.474 D6.1@45.463,67.762
  Bottom Layer w0.254: v2(45.175,65.9) 45.6,65.9 46.357,66.657 R19.1@47.232,66.657
NetD7_1: D7.1 R20.1 | length 5
  Top Layer w0.254: v2(44.15,69.3) D7.1@47.1,69.3
  Bottom Layer w0.254: v2(44.15,69.3) 44.15,69.05 44.943,68.257 R20.1@45.582,68.257
NetD8_1: D8.1 R21.1 | length 8
  Top Layer w0.254: R21.1@44.1,77.409 44.725,76.784 44.725,73.959 45.984,72.7 47.75,72.7 48.15,72.3 D8.1@48.15,72.075
NetD9_1: D9.1 R22.1 | length 5.9
  Top Layer w0.254: R22.1@46.8,79.491 47.109,79.491 47.975,78.625 47.975,74.55 D9.1@48.15,74.375
NetD10_1: D10.1 R23.1 | length 2.1
  Top Layer w0.254: D10.1@63.025,81 64.734,81 R23.1@65.009,81.275
NetJ_P4_1: J_P4.1 PC104.H1-17 | length 3.3
  Top Layer w0.254: J_P4.1@78.491,56.85 79.141,56.2 80.681,56.2 81.206,55.675 PC104.H1-17@81.3,55.675
NetJ_P5_1: J_P5.1 PC104.H1-19 | length 3.3
  Top Layer w0.254: J_P5.1@78.491,54.35 79.681,53.16 PC104.H1-19@81.3,53.16
NetJ_P7_2: J_P7.2 PC104.H1-10 | length 6.7
  Bottom Layer w0.254: J_P7.2@77.616,67.05 82.65,67.05 PC104.H1-10@83.84,65.86
NetJ_P8_2: J_P8.2 PC104.H1-12 | length 7
  Bottom Layer w0.254: J_P8.2@77.616,62.3 77.616,62.075 82.595,62.075 PC104.H1-12@83.84,63.32
NetJ_P9_2: J_P9.2 PC104.H1-20 | length 14.5
  Top Layer w0.254: PC104.H1-20@83.84,53.16 85.075,54.395 v2(85.075,59.525)
  Bottom Layer w0.254: J_P9.2@77.616,59.925 78.016,59.525 v2(85.075,59.525)
NetJ_P10_2: J_P10.2 PC104.H2-8 | length 13.9
  Bottom Layer w0.254: J_P10.2@77.616,64.675 87.05,64.675 87.84,65.465 87.84,67.32 PC104.H2-8@88.92,68.4
NetJ_P11_2: J_P11.2 PC104.H2-18 | length 17
  Top Layer w0.254: J_P11.2@77.641,64.7 78.7,63.641 78.7,61.8 80.975,59.525 81.9,59.525 82.625,58.8 v2@82.625,57.325
  Bottom Layer w0.254: v2(82.575,57.325) 82.925,56.975 87.645,56.975 PC104.H2-18@88.92,55.7
NetJ_P12_2: J_P12.2 PC104.H2-20 | length 17.5
  Top Layer w0.254: J_P12.2@77.641,62.325 77.641,62.213 80.025,59.829 80.025,57.502 80.552,56.975 81.9,56.975 82.625,56.25 v2(82.625,54.475)
  Bottom Layer w0.254: v2(82.625,54.475) 87.605,54.475 PC104.H2-20@88.92,53.16
NetJ_P13_2: J_P13.2 PC104.H2-22 | length 18.4
  Top Layer w0.254: J_P13.2@77.641,59.95 79.025,58.566 v2(79.025,58.7)
  Bottom Layer w0.254: v2(79.025,58.7) 79.1,58.7 79.937,57.863 79.937,52.588 80.625,51.9 87.64,51.9 PC104.H2-22@88.92,50.62
NetJ_P14_2: J_P14.2 PC104.H2-42 | length 40.7
  Bottom Layer w0.254: J_P14.2@77.616,57.55 77.616,57.009 79.48,55.145 79.48,50.52 80.625,49.375 86.85,49.375 87.7,48.525 87.7,26.44 PC104.H2-42@88.92,25.22
NetR8_2: R8.2 U3.1 | length 2.3
  Bottom Layer w0.254: U3.1@11.125,61.175 R8.2@13.384,61.175
NetR25_2: R25.2 U8.1 | length 2.3
  Bottom Layer w0.254: U8.1@48.425,61.175 R25.2@50.734,61.175
NetTP1_1: TP1.1 U2.88 | length 4.1
  Top Layer w0.254: TP1.1@18.275,69.6 18.372,69.697 20.153,69.697 20.714,69.136 20.714,68.637 21.354,67.998 U2.88@21.354,67.97
NetTP5_1: TP5.1 U7.88 | length 1.9
  Top Layer w0.254: TP5.1@57.15,69.35 57.15,69.301 58.453,67.998 U7.88@58.453,67.97
RA_0_ENABLE: J_P8.1 U2.35 | length 53.1
  Top Layer w0.254: U2.35@31.006,56.197 31.006,56.209 30.366,56.848 30.366,57.841 33,60.475 v2(33,62.6)
  Bottom Layer w0.254: v2(33,62.6) 33.754,62.6 37.279,59.075 69.668,59.075 72.893,62.3 J_P8.1@75.584,62.3